# Altium PCB PCB_3U_DAC_no_BNC.PCBDOC (part 7 of 7)
Units mm, origin at the board's own origin, x right, y up, seen from the top; angles counter-clockwise.
Board outline 160 x 100 mm, 4 copper layers (TopLayer, Internal Plane 2, Signal Layer 1, BottomLayer), stack 1.563 mm thick; 706 components, 563 nets, 2139 pads, 736 vias.
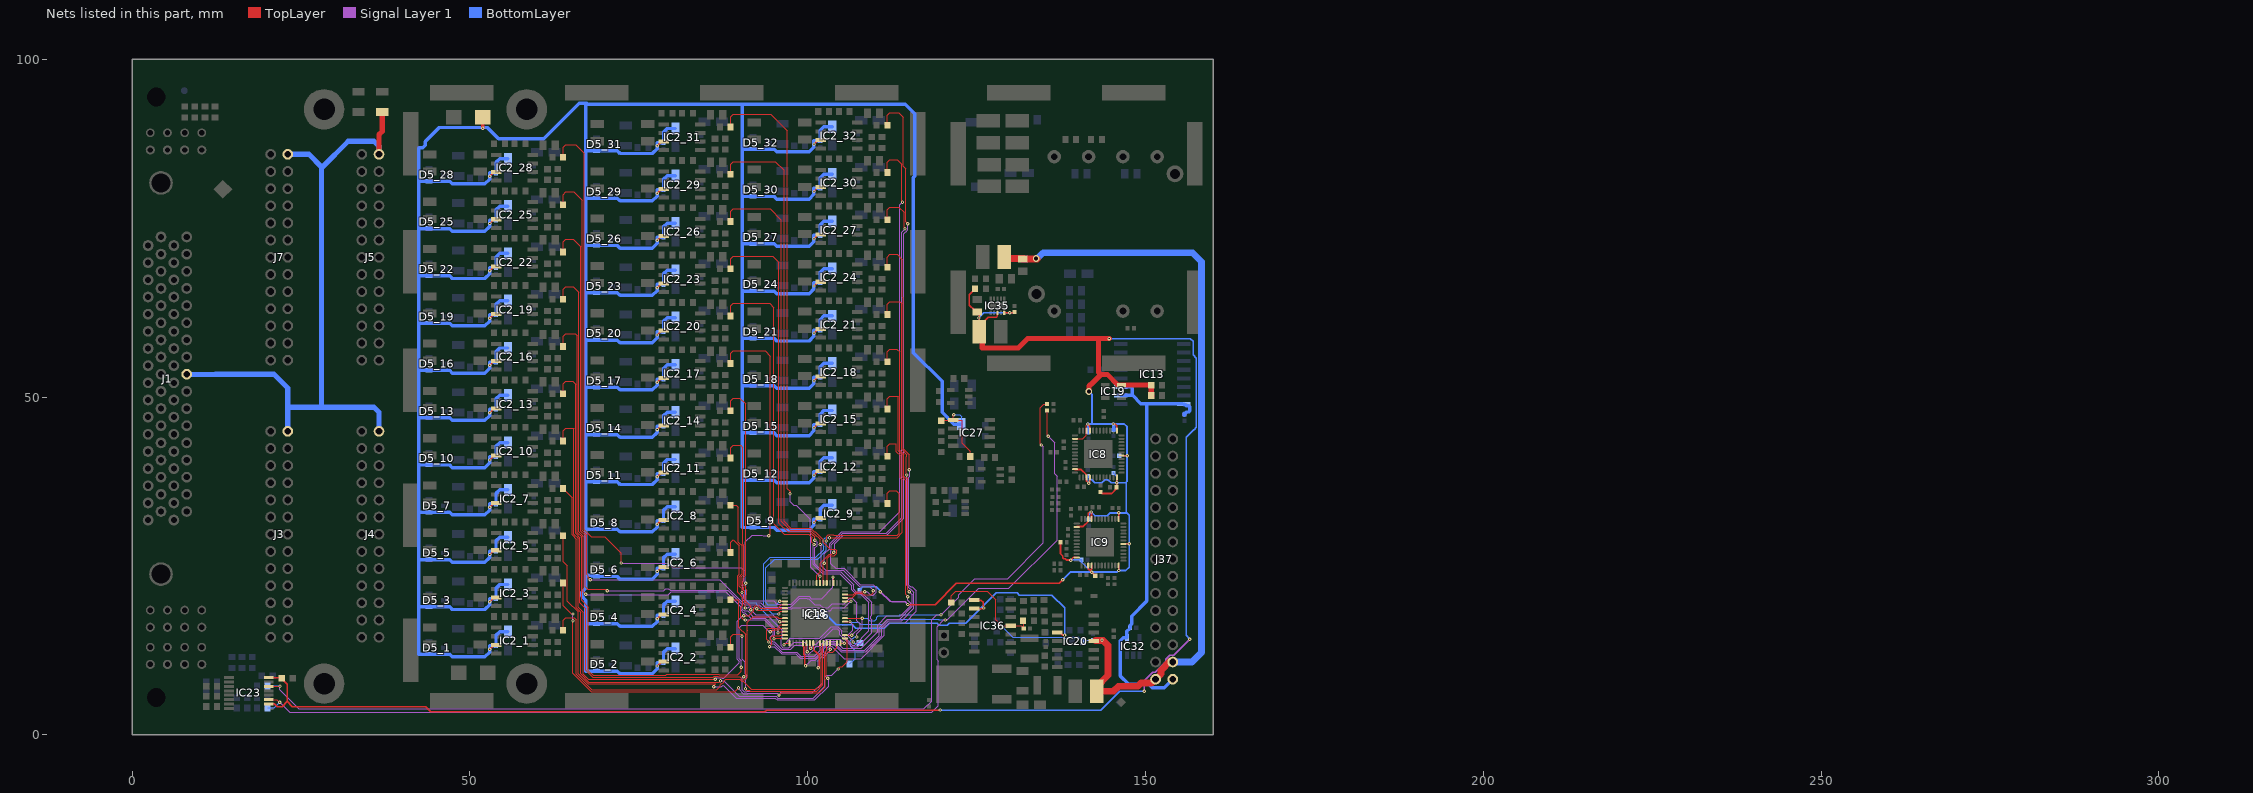
[diagram p9: the nets of this part, all layers, seen from the top]

## Via types
v1: diameter 0.5, hole 0.2, TopLayer to BottomLayer, tented both sides, 685 vias
v2: diameter 1, hole 0.5, TopLayer to BottomLayer, tented both sides, 21 vias
v3: diameter 0.6, hole 0.3, TopLayer to BottomLayer, tented both sides, 21 vias
v4: diameter 1, hole 0.6, TopLayer to BottomLayer, tented both sides, 9 vias

## Nets (pads, with @x,y where several pads share a name; then routed paths per layer and width w, separated by ;. In a path a pad name is that pad's centre, name@x,y a point inside that pad or via, vN(x,y) a via of type N, cw(c..) or ccw(c..) an arc to the next point about the centre after c; other vN are vias at no path point) (continued)
P3V3: C19.2 C20.2 C21.2 C22.2 C23.2 C24.2 C69.2 C70.2 C96.2 C148.2 C149.2 IC8.2 IC8.11 IC8.15 IC8.16 IC8.24 IC8.30 IC8.37 IC8.45 IC8.46 IC9.2 IC9.11 IC9.15 IC9.16 IC9.24 IC9.30 IC9.37 IC9.45 IC9.46 IC19.4 IC23.10 IC23.16 IC35.8 IC35.10 L16.2 R6.2 R7.1 R8.1 R12.1 R18.1 R22.1 R162.2 | length 392.9
  TopLayer w0.127: IC8.2@139.556,43.83 140.713,43.83 141.256,44.373 IC8.46@141.256,45.03 141.256,45.821 v1(141.456,46.022)
  TopLayer w0.203: IC23.10@20.213,4.581 21.041,4.581 21.434,4.188 22.196,4.188 22.958,4.95 ; IC23.16@20.213,8.481 22.056,8.481 C96.2@22.158,8.379 22.158,8.29 22.958,7.49 22.958,4.95 ; v1(110.715,21.206) v1@110.749,21.206 ; v1(114.779,19.301) 118.843,19.301 121.988,22.447 137.228,22.447 v1(137.766,22.984) ; v1(119.605,3.68) 119.577,3.653 93.916,3.653 93.662,3.399 44.222,3.399 43.432,4.188 23.72,4.188 22.958,4.95 ; C149.2@124.685,62.862 123.923,63.624 123.923,65.148 124.788,66.013 R162.2@124.788,66.031 ; C149.2@125.32,62.608 125.371,62.557 L16.2@125.371,59.687 ; L16.2@126.209,61.338 126.717,61.846 127.987,61.846 128.087,61.947 IC35.8@128.087,62.481 ; IC35.10@129.13,62.481 v1(129.892,62.481) 130.487,62.481 C148.2@130.588,62.581 ; v1(141.456,46.022) 141.756,45.723 IC8.45@141.756,45.03
  TopLayer w0.254: R22.1@137.405,28.521 137.405,26.806 137.728,26.483 137.728,26.221 137.876,26.072 138.139,26.072 138.331,25.88 v1(138.942,25.88) 139.346,26.284 IC9.11@139.82,26.284 ; IC8.11@139.556,39.33 139.61,39.276 140.481,39.276 141.256,38.502 IC8.15@141.256,38.13 141.256,37.587 v1(141.583,37.259) 141.756,37.431 IC8.16@141.756,38.13 ; IC9.2@139.82,30.784 139.9,30.864 140.802,30.864 141.52,31.582 IC9.46@141.52,31.984 141.52,32.787 141.724,32.992 v1(141.99,32.992) 141.99,32.014 IC9.45@142.02,31.984 ; IC9.15@141.52,25.084 141.52,24.601 141.762,24.359 ; IC9.16@142.02,25.084 142.02,24.617 141.762,24.359 ; C24.2@142.566,23.555 v1(142.019,24.102) 141.762,24.359 ; R18.1@143.336,35.951 143.542,35.745 144.997,35.745 145.756,36.504 v1@145.756,37.31 ; v1(145.241,46.022) 145.495,46.022 145.756,45.761 IC8.37@145.756,45.03 ; v1(145.724,37.31) v1@145.756,37.31 ; IC8.24@145.756,38.13 v1@145.756,37.31 ; v1(146.02,24.339) IC9.24@146.02,25.084 ; IC9.37@146.02,31.984 146.02,32.856 v1(146.028,32.865) ; IC8.30@146.456,41.33 v1@147.255,41.33 ; IC9.30@146.72,28.284 147.569,28.284 v1(147.578,28.293)
  TopLayer w0.762: L16.2@125.371,59.357 125.066,59.052 125.828,58.29 125.828,57.274 131.162,57.274 132.559,58.671 143.1,58.671 ; v4(141.609,50.848) 141.609,51.63 141.832,51.853 141.925,51.853 143.352,53.28 143.352,53.373 ; v1(144.624,58.671) 143.1,58.671 ; R12.1@150.847,51.813 150.844,51.811 IC19.4@146.45,51.811 145.896,51.811 144.334,53.373 143.352,53.373 ; R12.1@150.851,51.775 150.851,50.285 R8.1@150.974,50.162 ; 143.1,58.671 143.055,58.626 143.055,53.671 143.352,53.373
  Signal Layer 1 w0.203: v1@110.749,21.206 112.175,19.78 112.31,19.78 112.407,19.682 114.398,19.682 v1(114.779,19.301) ; v1(149.831,6.466) 149.831,8.044 151.067,9.28 151.436,9.28 153.004,10.848 153.004,11.217 153.607,11.82 154.195,11.82 v1(156.558,14.183)
  BottomLayer w0.203: R7.1@107.667,21.422 108.175,21.93 110.118,21.93 110.715,21.333 v1(110.715,21.206) ; v1(119.605,3.68) 143.394,3.68 146.18,6.466 v1(149.831,6.466) ; v1(125.32,61.719) 126.082,62.481 v1(129.892,62.481) ; v1(144.624,58.671) 156.652,58.671 157.036,58.287 157.036,56.25 157.543,55.743 157.543,45.543 157.183,45.183 157.118,45.183 156,44.065 156,14.741 v1(156.558,14.183)
  BottomLayer w0.254: v1(137.766,22.984) 138.883,24.102 v1(142.019,24.102) ; v1(138.942,25.88) 138.993,25.931 C69.2@140.524,25.931 140.524,25.597 v1(142.019,24.102) ; v1(141.456,46.022) 142.117,46.022 ; C70.2@141.583,31.867 141.583,32.585 v1(141.99,32.992) 142.519,32.462 144.358,32.462 144.76,32.865 v1(146.028,32.865) 147.239,32.865 ; v1(141.583,37.259) 141.456,37.386 C22.2@141.456,38.333 142.48,37.31 143.538,37.31 144.016,37.788 144.434,37.788 144.912,37.31 v1(145.724,37.31) ; v4(141.609,50.848) 142.09,50.367 142.09,46.049 142.117,46.022 ; C20.2@145.266,38.765 145.724,38.308 v1(145.724,37.31) ; C19.2@146.123,41.323 147.248,41.323 v1(147.273,41.348) ; v1(142.019,24.102) 145.783,24.102 v1(146.02,24.339) 147.078,24.339 147.578,24.838 v1(147.578,28.293) 147.578,32.526 147.239,32.865 ; 142.117,46.022 v1(145.241,46.022) 146.864,46.022 147.273,45.613 v1(147.273,41.348) ; v1(145.724,37.31) 147.035,37.31 147.156,37.43 ; 147.156,37.43 147.156,32.948 147.239,32.865 ; 147.156,37.43 147.273,37.548 v1(147.273,41.348)
  BottomLayer w0.508: v1(141.456,46.022) 141.558,45.92 C23.2@141.558,44.796 ; v1(145.241,46.022) 145.266,45.997 C21.2@145.266,45.126
P3V3_MP: C37.2 C38.2 IC13.2 IC13.3 IC13.16 IC32.4 J37.30 | length 66.7
  BottomLayer w0.508: IC13.2@146.315,50.251 148.091,50.251 149.323,49.019 150.143,49.019 ; IC13.3@146.315,51.521 147.837,51.521 148.053,51.305 148.053,50.289 ; C38.2@147.672,15.745 147.247,15.32 147.247,14.365 146.673,14.365 146.275,13.967 146.275,8.725 147.5,7.5 150.5,7.5 151,7 152.781,7 J37.30@154.033,8.251 ; C38.2@147.721,15.859 147.721,16.215 147.929,16.424 147.929,17.57 150.185,19.825 150.185,48.978 150.143,49.019 ; IC13.16@155.419,49.019 150.143,49.019 ; C37.2@155.74,47.348 155.74,47.629 155.963,47.629 156.077,47.743 156.017,47.803 156.399,47.803 156.552,47.956 156.552,48.564 156.399,48.717 156.017,48.717 156.077,48.777 155.963,48.891 155.74,48.891 IC13.16@155.74,48.981
P12V0: C66.2 C67.2 C129.2 IC20.4 IC36.4 J37.28 J37.29 L3.2 L8.2 R56.2 R165.2 R169.1 | length 149.6
  TopLayer w0.127: R165.2@121.256,19.593 121.256,20.633 121.904,21.281 126.563,21.281 127.813,20.031 127.813,17.031 v1(128.873,15.971) ; v1@128.873,16.158 IC36.4@130.08,16.158 131.569,16.158 C67.2@131.982,15.745 131.982,16.792 R169.1@131.886,16.888 ; v1@143.498,13.967 v1(143.562,14.031)
  TopLayer w1: L8.2@129.188,70.531 132.002,70.531 C129.2@132.051,70.482 ; C129.2@131.838,70.431 v4@133.956,70.431 ; IC20.4@142.592,13.967 143.498,13.967 143.735,13.967 144.44,13.262 144.44,8.83 L3.2@142.795,7.185 ; L3.2@142.795,6.474 L3.2@142.795,7.185 ; J37.28@154.276,10.919 153.639,10.919 152.275,9.556 152.275,9.046 150.903,7.673 149.33,7.673 148.852,7.195 146.005,7.195 145.285,6.474 143.506,6.474 L3.2@142.795,7.185
  BottomLayer w0.127: v1(128.873,15.971) 130.369,14.475 137.653,14.475 137.834,14.295 138.36,14.295 138.596,14.531 140.034,14.531 140.534,14.031 142.211,14.031 v1(143.562,14.031)
  BottomLayer w1: v4@133.956,70.482 134.845,71.371 156.943,71.371 158.271,70.042 158.271,12.189 156.873,10.791 J37.28@154.033,10.791
  other v4: 133.811,70.508
P12V0A: C64.2 C90_1.1 C90_2.1 C90_3.1 C90_4.1 C90_5.1 C90_6.1 C90_7.1 C90_8.1 C90_9.1 C90_10.1 C90_11.1 C90_12.1 C90_13.1 C90_14.1 C90_15.1 C90_16.1 C90_17.1 C90_18.1 C90_19.1 C90_20.1 C90_21.1 C90_22.1 C90_23.1 C90_24.1 C90_25.1 C90_26.1 C90_27.1 C90_28.1 C90_29.1 C90_30.1 C90_31.1 C90_32.1 C91_1.2 C91_2.2 C91_3.2 C91_4.2 C91_5.2 C91_6.2 C91_7.2 C91_8.2 C91_9.2 C91_10.2 C91_11.2 C91_12.2 C91_13.2 C91_14.2 C91_15.2 C91_16.2 C91_17.2 C91_18.2 C91_19.2 C91_20.2 C91_21.2 C91_22.2 C91_23.2 C91_24.2 C91_25.2 C91_26.2 C91_27.2 C91_28.2 C91_29.2 C91_30.2 C91_31.2 C91_32.2 C124.1 D5_1.2 D5_2.2 D5_3.2 D5_4.2 D5_5.2 D5_6.2 D5_7.2 D5_8.2 D5_9.2 D5_10.2 D5_11.2 D5_12.2 D5_13.2 D5_14.2 D5_15.2 D5_16.2 D5_17.2 D5_18.2 D5_19.2 D5_20.2 D5_21.2 D5_22.2 D5_23.2 D5_24.2 D5_25.2 D5_26.2 D5_27.2 D5_28.2 D5_29.2 D5_30.2 D5_31.2 D5_32.2 D10.1 IC2_1.7 IC2_2.7 IC2_3.7 IC2_4.7 IC2_5.7 IC2_6.7 IC2_7.7 IC2_8.7 IC2_9.7 IC2_10.7 IC2_11.7 IC2_12.7 IC2_13.7 IC2_14.7 IC2_15.7 IC2_16.7 IC2_17.7 IC2_18.7 IC2_19.7 IC2_20.7 IC2_21.7 IC2_22.7 IC2_23.7 IC2_24.7 IC2_25.7 IC2_26.7 IC2_27.7 IC2_28.7 IC2_29.7 IC2_30.7 IC2_31.7 IC2_32.7 IC27.1 R150.2 | length 930
  TopLayer w0.127: R150.2@119.986,46.606 119.991,46.611 IC27.1@121.563,46.611 121.563,47.294 v1(121.637,47.368) ; IC27.1@121.637,46.606 122.907,46.606 122.907,43.177 124.063,42.021 C64.2@124.063,41.206
  TopLayer w0.254: v1(52.923,12.7) 53.431,13.208 53.78,13.208 IC2_1.7@53.907,13.335 ; v1(52.923,19.7) 53.431,20.208 53.78,20.208 IC2_3.7@53.907,20.335 ; v1(52.923,26.7) 53.431,27.208 53.78,27.208 IC2_5.7@53.907,27.335 ; v1(52.923,33.7) 53.431,34.208 53.78,34.208 IC2_7.7@53.907,34.335 ; v1(52.923,40.7) 53.431,41.208 53.78,41.208 IC2_10.7@53.907,41.335 ; v1(52.923,47.7) 53.431,48.208 53.78,48.208 IC2_13.7@53.907,48.335 ; v1(52.923,54.7) 53.431,55.208 53.78,55.208 IC2_16.7@53.907,55.335 ; v1(52.923,61.7) 53.431,62.208 53.78,62.208 IC2_19.7@53.907,62.335 ; v1(52.923,68.7) 53.431,69.208 53.78,69.208 IC2_22.7@53.907,69.335 ; v1(52.923,75.7) 53.431,76.208 53.78,76.208 IC2_25.7@53.907,76.335 ; v1(52.923,82.7) 53.431,83.208 53.78,83.208 IC2_28.7@53.907,83.335 ; v1(77.723,10.2) 78.231,10.708 78.58,10.708 IC2_2.7@78.707,10.835 ; v1(77.723,17.2) 78.231,17.708 78.58,17.708 IC2_4.7@78.707,17.835 ; v1(77.723,24.2) 78.231,24.708 78.58,24.708 IC2_6.7@78.707,24.835 ; v1(77.723,31.2) 78.231,31.708 78.58,31.708 IC2_8.7@78.707,31.835 ; v1(77.723,38.2) 78.231,38.708 78.58,38.708 IC2_11.7@78.707,38.835 ; v1(77.723,45.2) 78.231,45.708 78.58,45.708 IC2_14.7@78.707,45.835 ; v1(77.723,52.2) 78.231,52.708 78.58,52.708 IC2_17.7@78.707,52.835 ; v1(77.723,59.2) 78.231,59.708 78.58,59.708 IC2_20.7@78.707,59.835 ; v1(77.723,66.2) 78.231,66.708 78.58,66.708 IC2_23.7@78.707,66.835 ; v1(77.723,73.2) 78.231,73.708 78.58,73.708 IC2_26.7@78.707,73.835 ; v1(77.723,80.2) 78.231,80.708 78.58,80.708 IC2_29.7@78.707,80.835 ; v1(77.723,87.2) 78.231,87.708 78.58,87.708 IC2_31.7@78.707,87.835 ; v1(100.923,31.45) 101.431,31.958 101.78,31.958 IC2_9.7@101.907,32.085 ; v1(100.923,38.45) 101.431,38.958 101.78,38.958 IC2_12.7@101.907,39.085 ; v1(100.923,45.45) 101.431,45.958 101.78,45.958 IC2_15.7@101.907,46.085 ; v1(100.923,52.45) 101.431,52.958 101.78,52.958 IC2_18.7@101.907,53.085 ; v1(100.923,59.45) 101.431,59.958 101.78,59.958 IC2_21.7@101.907,60.085 ; v1(100.923,66.45) 101.431,66.958 101.78,66.958 IC2_24.7@101.907,67.085 ; v1(100.923,73.45) 101.431,73.958 101.78,73.958 IC2_27.7@101.907,74.085 ; v1(100.923,80.45) 101.431,80.958 101.78,80.958 IC2_30.7@101.907,81.085 ; v1(100.923,87.45) 101.431,87.958 101.78,87.958 IC2_32.7@101.907,88.085
  TopLayer w0.508: v1(51.913,89.782) D10.1@51.913,91.456
  BottomLayer w0.127: v1(121.637,47.368) 122.526,47.368 122.78,47.114 C124.1@122.78,46.479
  BottomLayer w0.508: 42.413,11.938 42.413,11.951 ; D5_1.2@43.913,11.938 D5_1.2@43.956,11.938 ; C91_1.2@53.848,13.15 C91_1.2@53.848,13.187 ; C91_3.2@53.848,20.15 C91_3.2@53.848,20.187 ; C91_5.2@53.848,27.15 C91_5.2@53.848,27.187 ; C91_7.2@53.848,34.15 C91_7.2@53.848,34.187 ; C91_10.2@53.848,41.15 C91_10.2@53.848,41.187 ; C91_13.2@53.848,48.15 C91_13.2@53.848,48.187 ; C91_16.2@53.848,55.15 C91_16.2@53.848,55.187 ; C91_19.2@53.848,62.15 C91_19.2@53.848,62.187 ; C91_22.2@53.848,69.15 C91_22.2@53.848,69.187 ; C91_25.2@53.848,76.15 C91_25.2@53.848,76.187 ; C91_28.2@53.848,83.15 C91_28.2@53.848,83.187 ; C90_1.1@55.626,15.27 54.386,15.27 53.848,14.732 C91_1.2@53.848,13.187 ; C90_3.1@55.626,22.27 54.386,22.27 53.848,21.732 C91_3.2@53.848,20.187 ; C90_5.1@55.626,29.27 54.386,29.27 53.848,28.732 C91_5.2@53.848,27.187 ; C90_7.1@55.626,36.27 54.386,36.27 53.848,35.732 C91_7.2@53.848,34.187 ; C90_10.1@55.626,43.27 54.386,43.27 53.848,42.732 C91_10.2@53.848,41.187 ; C90_13.1@55.626,50.27 54.386,50.27 53.848,49.732 C91_13.2@53.848,48.187 ; C90_16.1@55.626,57.27 54.386,57.27 53.848,56.732 C91_16.2@53.848,55.187 ; C90_19.1@55.626,64.27 54.386,64.27 53.848,63.732 C91_19.2@53.848,62.187 ; C90_22.1@55.626,71.27 54.386,71.27 53.848,70.732 C91_22.2@53.848,69.187 ; C90_25.1@55.626,78.27 54.386,78.27 53.848,77.732 C91_25.2@53.848,76.187 ; C90_28.1@55.626,85.27 54.386,85.27 53.848,84.732 C91_28.2@53.848,83.187 ; C91_2.2@78.648,10.65 C91_2.2@78.648,10.687 ; C91_4.2@78.648,17.65 C91_4.2@78.648,17.687 ; C91_6.2@78.648,24.65 C91_6.2@78.648,24.687 ; C91_8.2@78.648,31.65 C91_8.2@78.648,31.687 ; C91_11.2@78.648,38.65 C91_11.2@78.648,38.687 ; C91_14.2@78.648,45.65 C91_14.2@78.648,45.687 ; C91_17.2@78.648,52.65 C91_17.2@78.648,52.687 ; C91_20.2@78.648,59.65 C91_20.2@78.648,59.687 ; C91_23.2@78.648,66.65 C91_23.2@78.648,66.687 ; C91_26.2@78.648,73.65 C91_26.2@78.648,73.687 ; C91_29.2@78.648,80.65 C91_29.2@78.648,80.687 ; C91_31.2@78.648,87.65 C91_31.2@78.648,87.687 ; C90_2.1@80.426,12.77 79.186,12.77 78.648,12.232 C91_2.2@78.648,10.687 ; C90_4.1@80.426,19.77 79.186,19.77 78.648,19.232 C91_4.2@78.648,17.687 ; C90_6.1@80.426,26.77 79.186,26.77 78.648,26.232 C91_6.2@78.648,24.687 ; C90_8.1@80.426,33.77 79.186,33.77 78.648,33.232 C91_8.2@78.648,31.687 ; C90_11.1@80.426,40.77 79.186,40.77 78.648,40.232 C91_11.2@78.648,38.687 ; C90_14.1@80.426,47.77 79.186,47.77 78.648,47.232 C91_14.2@78.648,45.687 ; C90_17.1@80.426,54.77 79.186,54.77 78.648,54.232 C91_17.2@78.648,52.687 ; C90_20.1@80.426,61.77 79.186,61.77 78.648,61.232 C91_20.2@78.648,59.687 ; C90_23.1@80.426,68.77 79.186,68.77 78.648,68.232 C91_23.2@78.648,66.687 ; C90_26.1@80.426,75.77 79.186,75.77 78.648,75.232 C91_26.2@78.648,73.687 ; C90_29.1@80.426,82.77 79.186,82.77 78.648,82.232 C91_29.2@78.648,80.687 ; C90_31.1@80.426,89.77 79.186,89.77 78.648,89.232 C91_31.2@78.648,87.687 ; C91_9.2@101.848,31.9 C91_9.2@101.848,31.937 ; C91_12.2@101.848,38.9 C91_12.2@101.848,38.937 ; C91_15.2@101.848,45.9 C91_15.2@101.848,45.937 ; C91_18.2@101.848,52.9 C91_18.2@101.848,52.937 ; C91_21.2@101.848,59.9 C91_21.2@101.848,59.937 ; C91_24.2@101.848,66.9 C91_24.2@101.848,66.937 ; C91_27.2@101.848,73.9 C91_27.2@101.848,73.937 ; C91_30.2@101.848,80.9 C91_30.2@101.848,80.937 ; C91_32.2@101.848,87.9 C91_32.2@101.848,87.937 ; C90_9.1@103.626,34.02 102.386,34.02 101.848,33.482 C91_9.2@101.848,31.937 ; C90_12.1@103.626,41.02 102.386,41.02 101.848,40.482 C91_12.2@101.848,38.937 ; C90_15.1@103.626,48.02 102.386,48.02 101.848,47.482 C91_15.2@101.848,45.937 ; C90_18.1@103.626,55.02 102.386,55.02 101.848,54.482 C91_18.2@101.848,52.937 ; C90_21.1@103.626,62.02 102.386,62.02 101.848,61.482 C91_21.2@101.848,59.937 ; C90_24.1@103.626,69.02 102.386,69.02 101.848,68.482 C91_24.2@101.848,66.937 ; C90_27.1@103.626,76.02 102.386,76.02 101.848,75.482 C91_27.2@101.848,73.937 ; C90_30.1@103.626,83.02 102.386,83.02 101.848,82.482 C91_30.2@101.848,80.937 ; C90_32.1@103.626,90.02 102.386,90.02 101.848,89.482 C91_32.2@101.848,87.937 ; C124.1@122.712,46.006 121.634,46.006 119.888,47.752 119.888,52.324 115.619,56.593 115.619,82.511 115.824,82.716 115.824,91.948 114.42,93.352 90.327,93.352 ; 42.413,11.951 42.413,18.951 ; 42.413,11.951 47.019,11.951 47.405,11.565 52.208,11.565 52.906,12.263 52.906,13.187 C91_1.2@53.848,13.187 ; 42.413,18.951 42.413,25.951 ; 42.413,18.951 47.019,18.951 47.405,18.565 52.208,18.565 52.906,19.263 52.906,20.187 C91_3.2@53.848,20.187 ; 42.413,25.951 42.413,32.951 ; 42.413,25.951 47.019,25.951 47.405,25.565 52.208,25.565 52.906,26.263 52.906,27.187 C91_5.2@53.848,27.187 ; 42.413,32.951 42.413,39.951 ; 42.413,32.951 47.019,32.951 47.405,32.565 52.208,32.565 52.906,33.263 52.906,34.187 C91_7.2@53.848,34.187 ; 42.413,39.951 42.413,46.951 ; 42.413,39.951 47.019,39.951 47.405,39.565 52.208,39.565 52.906,40.263 52.906,41.187 C91_10.2@53.848,41.187 ; 42.413,46.951 42.413,53.951 ; 42.413,46.951 47.019,46.951 47.405,46.565 52.208,46.565 52.906,47.263 52.906,48.187 C91_13.2@53.848,48.187 ; 42.413,53.951 42.413,60.951 ; 42.413,53.951 47.019,53.951 47.405,53.565 52.208,53.565 52.906,54.263 52.906,55.187 C91_16.2@53.848,55.187 ; 42.413,60.951 42.413,67.951 ; 42.413,60.951 47.019,60.951 47.405,60.565 52.208,60.565 52.906,61.263 52.906,62.187 C91_19.2@53.848,62.187 ; 42.413,67.951 42.413,74.951 ; 42.413,67.951 47.019,67.951 47.405,67.565 52.208,67.565 52.906,68.263 52.906,69.187 C91_22.2@53.848,69.187 ; 42.413,74.951 42.413,81.951 ; 42.413,74.951 47.019,74.951 47.405,74.565 52.208,74.565 52.906,75.263 52.906,76.187 C91_25.2@53.848,76.187 ; 42.413,81.951 42.413,86.863 42.45,86.9 43.026,86.9 43.395,87.27 43.395,87.845 45.466,89.916 52.578,89.916 54.218,88.276 60.944,88.276 66.204,93.535 67.31,93.535 67.127,93.352 ; 42.413,81.951 47.019,81.951 47.405,81.565 52.208,81.565 52.906,82.263 52.906,83.187 C91_28.2@53.848,83.187 ; 67.127,16.451 67.127,9.451 71.819,9.451 72.205,9.065 77.008,9.065 77.706,9.763 77.706,10.687 C91_2.2@78.648,10.687 ; 67.127,16.451 67.127,19.96 66.523,20.564 66.523,21.087 67.127,21.691 67.127,23.451 ; 67.127,16.451 71.819,16.451 72.205,16.065 77.008,16.065 77.706,16.763 77.706,17.687 C91_4.2@78.648,17.687 ; 67.127,23.451 67.127,30.451 ; 67.127,23.451 67.291,23.615 68.05,23.615 68.214,23.451 71.819,23.451 72.205,23.065 77.008,23.065 77.706,23.763 77.706,24.687 C91_6.2@78.648,24.687 ; 67.127,30.451 67.127,37.451 ; 67.127,30.451 71.819,30.451 72.205,30.065 77.008,30.065 77.706,30.763 77.706,31.687 C91_8.2@78.648,31.687 ; 67.127,37.451 67.127,44.451 ; 67.127,37.451 71.819,37.451 72.205,37.065 77.008,37.065 77.706,37.763 77.706,38.687 C91_11.2@78.648,38.687 ; 67.127,44.451 67.127,51.451 ; 67.127,44.451 71.819,44.451 72.205,44.065 77.008,44.065 77.706,44.763 77.706,45.687 C91_14.2@78.648,45.687 ; 67.127,51.451 67.127,58.451 ; 67.127,51.451 71.819,51.451 72.205,51.065 77.008,51.065 77.706,51.763 77.706,52.687 C91_17.2@78.648,52.687 ; 67.127,58.451 67.127,65.451 ; 67.127,58.451 71.819,58.451 72.205,58.065 77.008,58.065 77.706,58.763 77.706,59.687 C91_20.2@78.648,59.687 ; 67.127,65.451 67.127,72.451 ; 67.127,65.451 71.819,65.451 72.205,65.065 77.008,65.065 77.706,65.763 77.706,66.687 C91_23.2@78.648,66.687 ; 67.127,72.451 67.127,79.451 ; 67.127,72.451 71.819,72.451 72.205,72.065 77.008,72.065 77.706,72.763 77.706,73.687 C91_26.2@78.648,73.687 ; 67.127,79.451 67.127,86.451 ; 67.127,79.451 71.819,79.451 72.205,79.065 77.008,79.065 77.706,79.763 77.706,80.687 C91_29.2@78.648,80.687 ; 67.127,86.451 67.127,93.352 ; 67.127,86.451 71.819,86.451 72.205,86.065 77.008,86.065 77.706,86.763 77.706,87.687 C91_31.2@78.648,87.687 ; 67.127,93.352 90.327,93.352 ; 90.327,37.701 90.327,30.701 95.019,30.701 95.405,30.315 100.208,30.315 100.906,31.013 100.906,31.937 C91_9.2@101.848,31.937 ; 90.327,37.701 90.327,44.701 ; 90.327,37.701 95.019,37.701 95.405,37.315 100.208,37.315 100.906,38.013 100.906,38.937 C91_12.2@101.848,38.937 ; 90.327,44.701 90.327,51.701 ; 90.327,44.701 95.019,44.701 95.405,44.315 100.208,44.315 100.906,45.013 100.906,45.937 C91_15.2@101.848,45.937 ; 90.327,51.701 90.327,58.701 ; 90.327,51.701 95.019,51.701 95.405,51.315 100.208,51.315 100.906,52.013 100.906,52.937 C91_18.2@101.848,52.937 ; 90.327,58.701 90.327,65.701 ; 90.327,58.701 95.019,58.701 95.405,58.315 100.208,58.315 100.906,59.013 100.906,59.937 C91_21.2@101.848,59.937 ; 90.327,65.701 90.327,72.701 ; 90.327,65.701 95.019,65.701 95.405,65.315 100.208,65.315 100.906,66.013 100.906,66.937 C91_24.2@101.848,66.937 ; 90.327,72.701 90.327,79.701 ; 90.327,72.701 95.019,72.701 95.405,72.315 100.208,72.315 100.906,73.013 100.906,73.937 C91_27.2@101.848,73.937 ; 90.327,79.701 90.327,86.701 ; 90.327,79.701 95.019,79.701 95.405,79.315 100.208,79.315 100.906,80.013 100.906,80.937 C91_30.2@101.848,80.937 ; 90.327,86.701 90.327,93.352 ; 90.327,86.701 95.019,86.701 95.405,86.315 100.208,86.315 100.906,87.013 100.906,87.937 C91_32.2@101.848,87.937
P13V0_SCSI: F1.1 J1.18 J3.25 J4.25 J5.25 J7.25 | length 98.3
  TopLayer w0.762: J5.25@36.532,85.946 36.532,88.883 37.013,89.363 F1.1@37.013,92.206
  BottomLayer w0.762: J1.18@8.07,53.391 8.116,53.345 12.326,53.345 12.372,53.391 20.999,53.391 23.032,51.357 23.032,48.511 ; J3.25@23.032,44.946 23.032,48.511 ; J7.25@23.032,85.946 26.163,85.946 28.038,84.071 ; J4.25@36.532,44.946 36.532,47.763 35.785,48.511 28.038,48.511 ; J5.25@36.532,85.946 36.532,87.133 35.785,87.881 31.975,87.881 28.165,84.071 28.038,84.071 ; 23.032,48.511 28.038,48.511 ; 28.038,48.511 28.038,84.071
P13V0_SCSI_1: 
P13V0_SCSI_2: 
P13V0_SCSI_3: 
P13V0_SCSI_4: 
REF_6V: IC16.1 IC20.10 IC36.8 IC36.9 | length 48.5
  TopLayer w0.203: IC36.9@124.68,18.698 v1@125.979,18.698 ; IC36.8@124.68,19.968 125.626,19.968 125.979,19.615 v1@125.979,18.781 ; IC20.10@136.935,15.142 137.353,15.142 137.76,14.735 v1(138.016,14.735)
  BottomLayer w0.203: IC16.1@102.583,17.854 102.636,17.854 104.207,16.284 105.081,16.284 105.112,16.253 105.141,16.253 105.172,16.284 106.578,16.284 107.087,15.775 111.323,15.775 112.063,16.514 119.133,16.514 119.389,16.257 120.68,16.257 120.937,16.514 123.421,16.514 127.917,21.01 131.011,21.01 131.322,20.698 136.115,20.698 138.016,18.796 v1(138.016,14.735)
  other v1: 126.063,18.781
SCKI: IC18.54 IC23.11 R11.1 R82.2 R117.2 | length 177.3
  TopLayer w0.152: IC23.11@20.213,5.231 21.406,5.231 v1(21.815,4.823) ; IC18.54@105.513,16.781 v1(106.25,16.781) ; R11.1@135.424,48.003 135.424,44.376 v1(135.607,44.193)
  Signal Layer 1 w0.152: v1(21.815,4.823) 23.31,3.327 118.363,3.327 119.351,4.315 119.351,10.922 119.139,11.134 119.139,16.041 120.113,17.015 v1(120.367,17.015) 120.621,17.015 125.32,21.714 129.765,21.714 136.897,28.846 136.897,38.282 136.533,38.646 136.533,43.267 v1(135.607,44.193) ; v1(106.25,16.781) 106.687,16.344 106.687,15.527 106.342,15.182 106.336,15.182 106.07,14.917 106.07,14.541 106.75,13.862 v1(106.75,13.75)
  BottomLayer w0.152: R82.2@20.05,4 20.991,4 v1(21.815,4.823) ; v1(106.25,16.781) 106.324,16.706 107.473,16.706 107.802,16.377 111.1,16.377 111.821,17.098 119.375,17.098 119.428,17.045 120.337,17.045 v1(120.367,17.015) v1@120.322,17.015 ; v1(106.75,13.75) 106.919,13.581 R117.2@107.75,13.581
SDI: IC18.55 IC23.14 R13.1 R58.2 R116.2 | length 180.2
  TopLayer w0.152: IC23.14@20.213,7.181 v1(21.869,7.181) ; IC18.55@105.513,17.281 108.036,17.281 v1(108.048,17.269) ; v1(134.591,42.923) 134.421,43.093 134.421,48.46 134.929,48.968 R13.1@135.424,48.968
  Signal Layer 1 w0.152: v1(21.869,7.181) 21.869,6.673 24.682,3.861 117.192,3.861 118.335,5.004 118.335,17.015 119.097,17.777 v1(119.732,17.777) 122.359,20.405 122.359,20.719 124.752,23.111 129.582,23.111 134.882,28.411 134.882,42.632 v1(134.591,42.923) ; v1(107.25,14.5) 107.25,15 108.048,15.798 v1(108.048,17.269)